# Altium PCB PCB.PcbDoc (part 4 of 11) (continued)
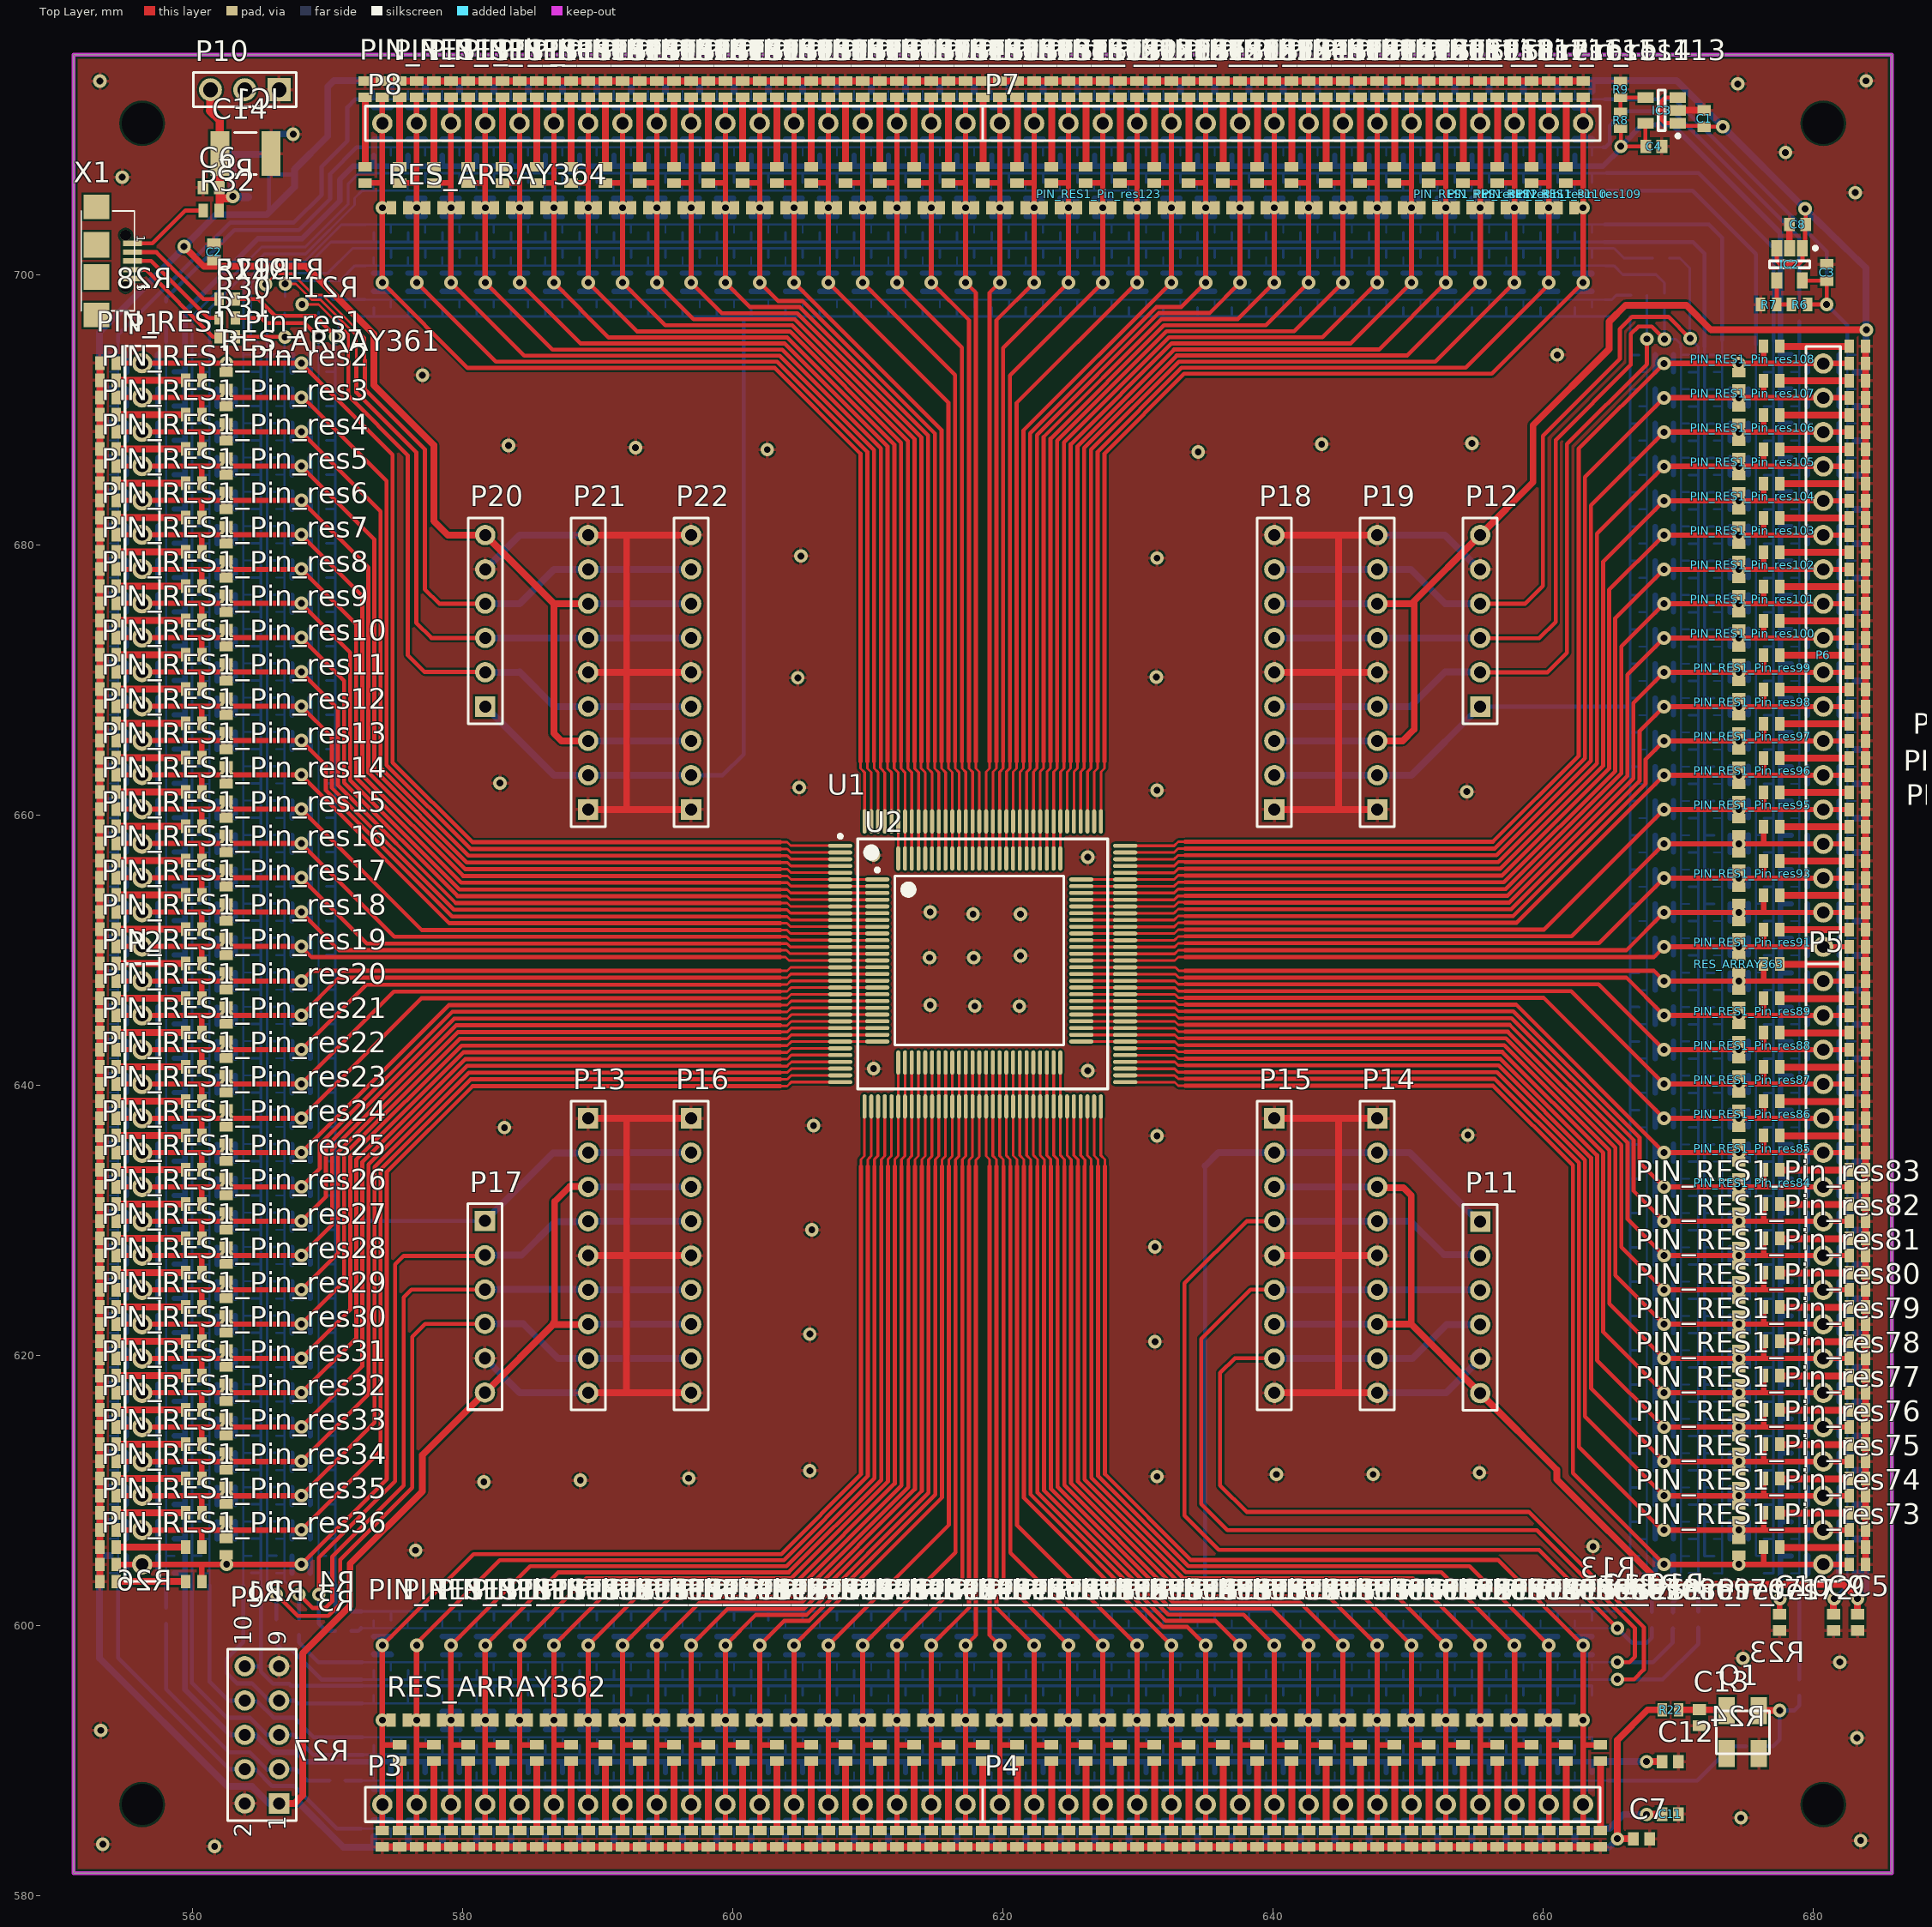
[diagram p0: Top Layer view]
## Nets (pads, with @x,y where several pads share a name; then routed paths per layer and width w, separated by ;. In a path a pad name is that pad's centre, name@x,y a point inside that pad or via, vN(x,y) a via of type N, cw(c..) or ccw(c..) an arc to the next point about the centre after c; other vN are vias at no path point) (continued)
  Bottom Layer w0.3: P9.10@563.778,597.535 563.855,597.459 P9.10@563.855,596.976 565.023,596.976 565.048,596.951 ; 565.048,598.272 565.048,596.951 ; 565.048,598.322 565.048,602.92 ; 572.567,595.528 567.284,595.528 567.131,595.681 565.937,595.681 565.048,596.57 565.048,596.951 ; 664.515,702.412 671.068,702.412 671.932,701.548 671.932,694.665
IO6: P13.8 P16.8 P17.4 PIN_RES1_Pin_res1.10 PIN_RES1_Pin_res2.10 PIN_RES1_Pin_res3.10 PIN_RES1_Pin_res4.10 PIN_RES1_Pin_res5.10 PIN_RES1_Pin_res6.10 PIN_RES1_Pin_res7.10 PIN_RES1_Pin_res8.10 PIN_RES1_Pin_res9.10 PIN_RES1_Pin_res10.10 PIN_RES1_Pin_res11.10 PIN_RES1_Pin_res12.10 PIN_RES1_Pin_res13.10 PIN_RES1_Pin_res14.10 PIN_RES1_Pin_res15.10 PIN_RES1_Pin_res16.10 PIN_RES1_Pin_res17.10 PIN_RES1_Pin_res18.10 PIN_RES1_Pin_res19.10 PIN_RES1_Pin_res20.10 PIN_RES1_Pin_res21.10 PIN_RES1_Pin_res22.10 PIN_RES1_Pin_res23.10 PIN_RES1_Pin_res24.10 PIN_RES1_Pin_res25.10 PIN_RES1_Pin_res26.10 PIN_RES1_Pin_res27.10 PIN_RES1_Pin_res28.10 PIN_RES1_Pin_res29.10 PIN_RES1_Pin_res30.10 PIN_RES1_Pin_res31.10 PIN_RES1_Pin_res32.10 PIN_RES1_Pin_res33.10 PIN_RES1_Pin_res34.10 PIN_RES1_Pin_res35.10 PIN_RES1_Pin_res36.10 R1.1 R15.1 | length 171.9
  Top Layer w0.3: v1(566.191,602.285) 567.766,600.71 570.027,600.71 570.916,601.599 570.916,604.876 576.25,610.21 576.25,621.36 577.215,622.325 P17.4@581.635,622.325
  Bottom Layer w0.2: R15.1@565.379,697.163 565.506,697.036 565.506,695.96 565.506,694.08 ; v1(566.191,602.285) 565.506,602.971 565.506,605.155 ; PIN_RES1_Pin_res36.10@566.201,605.155 565.506,605.155 ; PIN_RES1_Pin_res35.10@566.201,607.695 565.506,607.695 ; PIN_RES1_Pin_res34.10@566.201,610.235 565.506,610.235 ; PIN_RES1_Pin_res33.10@566.201,612.775 565.506,612.775 ; PIN_RES1_Pin_res32.10@566.201,615.315 565.506,615.315 ; PIN_RES1_Pin_res31.10@566.201,617.855 565.506,617.855 ; PIN_RES1_Pin_res30.10@566.201,620.395 565.506,620.395 ; PIN_RES1_Pin_res29.10@566.201,622.935 565.506,622.935 ; PIN_RES1_Pin_res28.10@566.201,625.475 565.506,625.475 ; PIN_RES1_Pin_res27.10@566.201,628.015 565.506,628.015 ; PIN_RES1_Pin_res26.10@566.201,630.555 565.506,630.555 ; PIN_RES1_Pin_res25.10@566.201,633.095 565.506,633.095 ; PIN_RES1_Pin_res24.10@566.201,635.635 565.506,635.635 ; PIN_RES1_Pin_res23.10@566.201,638.175 565.506,638.175 ; PIN_RES1_Pin_res22.10@566.201,640.715 565.506,640.715 ; PIN_RES1_Pin_res21.10@566.201,643.255 565.506,643.255 ; PIN_RES1_Pin_res20.10@566.201,645.795 565.506,645.795 ; PIN_RES1_Pin_res19.10@566.201,648.335 565.506,648.335 ; PIN_RES1_Pin_res18.10@566.201,650.9 565.506,650.9 ; PIN_RES1_Pin_res17.10@566.201,653.44 565.506,653.44 ; PIN_RES1_Pin_res16.10@566.201,655.98 565.506,655.98 ; PIN_RES1_Pin_res15.10@566.201,658.52 565.506,658.52 ; PIN_RES1_Pin_res14.10@566.201,661.06 565.506,661.06 ; PIN_RES1_Pin_res13.10@566.201,663.6 565.506,663.6 ; PIN_RES1_Pin_res12.10@566.201,666.14 565.506,666.14 ; PIN_RES1_Pin_res11.10@566.201,668.68 565.506,668.68 ; PIN_RES1_Pin_res10.10@566.201,671.22 565.506,671.22 ; PIN_RES1_Pin_res9.10@566.201,673.76 565.506,673.76 ; PIN_RES1_Pin_res8.10@566.201,676.3 565.506,676.3 ; PIN_RES1_Pin_res7.10@566.201,678.84 565.506,678.84 ; PIN_RES1_Pin_res6.10@566.201,681.38 565.506,681.38 ; PIN_RES1_Pin_res5.10@566.201,683.92 565.506,683.92 ; PIN_RES1_Pin_res4.10@566.201,686.46 565.506,686.46 ; PIN_RES1_Pin_res3.10@566.201,689 565.506,689 ; PIN_RES1_Pin_res2.10@566.201,691.54 565.506,691.54 ; PIN_RES1_Pin_res1.10@566.201,694.08 565.506,694.08 ; 565.506,605.155 565.506,607.695 ; 565.506,607.695 565.506,610.235 ; 565.506,610.235 565.506,612.775 ; 565.506,612.775 565.506,615.315 ; 565.506,615.315 565.506,617.855 ; 565.506,617.855 565.506,620.395 ; 565.506,620.395 565.506,622.935 ; 565.506,622.935 565.506,625.475 ; 565.506,625.475 565.506,628.015 ; 565.506,628.015 565.506,630.555 ; 565.506,630.555 565.506,633.095 ; 565.506,633.095 565.506,635.635 ; 565.506,635.635 565.506,638.175 ; 565.506,638.175 565.506,640.715 ; 565.506,640.715 565.506,643.255 ; 565.506,643.255 565.506,645.795 ; 565.506,645.795 565.506,648.335 ; 565.506,648.335 565.506,650.9 ; 565.506,650.9 565.506,653.44 ; 565.506,653.44 565.506,655.98 ; 565.506,655.98 565.506,658.52 ; 565.506,658.52 565.506,661.06 ; 565.506,661.06 565.506,663.6 ; 565.506,663.6 565.506,666.14 ; 565.506,666.14 565.506,668.68 ; 565.506,668.68 565.506,671.22 ; 565.506,671.22 565.506,673.76 ; 565.506,673.76 565.506,676.3 ; 565.506,676.3 565.506,678.84 ; 565.506,678.84 565.506,681.38 ; 565.506,681.38 565.506,683.92 ; 565.506,683.92 565.506,686.46 ; 565.506,686.46 565.506,689 ; 565.506,689 565.506,691.54 ; 565.506,691.54 565.506,694.08
  Bottom Layer w0.3: R1.1@566.191,600.472 v1(566.191,602.285) ; P13.8@589.28,619.76 P13.8@589.305,619.76
  Bottom Layer w0.5: P17.4@581.635,622.325 584.479,622.325 587.045,619.76 P13.8@589.28,619.76 P16.8@596.9,619.76
IO6_1: P11.4 P14.8 P15.8 PIN_RES1_Pin_res37.10 PIN_RES1_Pin_res38.10 PIN_RES1_Pin_res39.10 PIN_RES1_Pin_res40.10 PIN_RES1_Pin_res41.10 PIN_RES1_Pin_res42.10 PIN_RES1_Pin_res43.10 PIN_RES1_Pin_res44.10 PIN_RES1_Pin_res45.10 PIN_RES1_Pin_res46.10 PIN_RES1_Pin_res47.10 PIN_RES1_Pin_res48.10 PIN_RES1_Pin_res49.10 PIN_RES1_Pin_res50.10 PIN_RES1_Pin_res51.10 PIN_RES1_Pin_res52.10 PIN_RES1_Pin_res53.10 PIN_RES1_Pin_res54.10 PIN_RES1_Pin_res55.10 PIN_RES1_Pin_res56.10 PIN_RES1_Pin_res57.10 PIN_RES1_Pin_res58.10 PIN_RES1_Pin_res59.10 PIN_RES1_Pin_res60.10 PIN_RES1_Pin_res61.10 PIN_RES1_Pin_res62.10 PIN_RES1_Pin_res63.10 PIN_RES1_Pin_res64.10 PIN_RES1_Pin_res65.10 PIN_RES1_Pin_res66.10 PIN_RES1_Pin_res67.10 PIN_RES1_Pin_res68.10 PIN_RES1_Pin_res69.10 PIN_RES1_Pin_res70.10 PIN_RES1_Pin_res71.10 PIN_RES1_Pin_res72.10 R1.2 R10.2 | length 204.6
  Top Layer w0.3: P15.8@640.08,619.76 640.055,619.785 637.159,619.785 636.067,618.693 636.067,610.362 638.023,608.406 658.901,608.406 667.436,599.872 667.436,596.722 666.725,596.011 v1(665.48,596.011)
  Bottom Layer w0.2: 572.491,595.986 573.405,595.986 ; PIN_RES1_Pin_res37.10@573.405,596.681 573.405,595.986 ; PIN_RES1_Pin_res38.10@575.945,596.681 575.945,595.986 ; PIN_RES1_Pin_res39.10@578.485,596.681 578.485,595.986 ; PIN_RES1_Pin_res40.10@581.025,596.681 581.025,595.986 ; PIN_RES1_Pin_res41.10@583.565,596.681 583.565,595.986 ; PIN_RES1_Pin_res42.10@586.105,596.681 586.105,595.986 ; PIN_RES1_Pin_res43.10@588.645,596.681 588.645,595.986 ; PIN_RES1_Pin_res44.10@591.185,596.681 591.185,595.986 ; PIN_RES1_Pin_res45.10@593.725,596.681 593.725,595.986 ; PIN_RES1_Pin_res46.10@596.265,596.681 596.265,595.986 ; PIN_RES1_Pin_res47.10@598.805,596.681 598.805,595.986 ; PIN_RES1_Pin_res48.10@601.345,596.681 601.345,595.986 ; PIN_RES1_Pin_res49.10@603.885,596.681 603.885,595.986 ; PIN_RES1_Pin_res50.10@606.425,596.681 606.425,595.986 ; PIN_RES1_Pin_res51.10@608.965,596.681 608.965,595.986 ; PIN_RES1_Pin_res52.10@611.505,596.681 611.505,595.986 ; PIN_RES1_Pin_res53.10@614.045,596.681 614.045,595.986 ; PIN_RES1_Pin_res54.10@616.585,596.681 616.585,595.986 ; PIN_RES1_Pin_res55.10@619.15,596.681 619.15,595.986 ; PIN_RES1_Pin_res56.10@621.69,596.681 621.69,595.986 ; PIN_RES1_Pin_res57.10@624.23,596.681 624.23,595.986 ; PIN_RES1_Pin_res58.10@626.77,596.681 626.77,595.986 ; PIN_RES1_Pin_res59.10@629.31,596.681 629.31,595.986 ; PIN_RES1_Pin_res60.10@631.85,596.681 631.85,595.986 ; PIN_RES1_Pin_res61.10@634.39,596.681 634.39,595.986 ; PIN_RES1_Pin_res62.10@636.93,596.681 636.93,595.986 ; PIN_RES1_Pin_res63.10@639.47,596.681 639.47,595.986 ; PIN_RES1_Pin_res64.10@642.01,596.681 642.01,595.986 ; PIN_RES1_Pin_res65.10@644.55,596.681 644.55,595.986 ; PIN_RES1_Pin_res66.10@647.09,596.681 647.09,595.986 ; PIN_RES1_Pin_res67.10@649.63,596.681 649.63,595.986 ; PIN_RES1_Pin_res68.10@652.17,596.681 652.17,595.986 ; PIN_RES1_Pin_res69.10@654.71,596.681 654.71,595.986 ; PIN_RES1_Pin_res70.10@657.25,596.681 657.25,595.986 ; PIN_RES1_Pin_res71.10@659.79,596.681 659.79,595.986 ; PIN_RES1_Pin_res72.10@662.33,596.681 662.33,595.986 ; v1(665.48,596.011) 665.455,595.986 662.33,595.986 ; 573.405,595.986 575.945,595.986 ; 575.945,595.986 578.485,595.986 ; 578.485,595.986 581.025,595.986 ; 581.025,595.986 583.565,595.986 ; 583.565,595.986 586.105,595.986 ; 586.105,595.986 588.645,595.986 ; 588.645,595.986 591.185,595.986 ; 591.185,595.986 593.725,595.986 ; 593.725,595.986 596.265,595.986 ; 596.265,595.986 598.805,595.986 ; 598.805,595.986 601.345,595.986 ; 601.345,595.986 603.885,595.986 ; 603.885,595.986 606.425,595.986 ; 606.425,595.986 608.965,595.986 ; 608.965,595.986 611.505,595.986 ; 611.505,595.986 614.045,595.986 ; 614.045,595.986 616.585,595.986 ; 616.585,595.986 619.15,595.986 ; 619.15,595.986 621.69,595.986 ; 621.69,595.986 624.23,595.986 ; 624.23,595.986 626.77,595.986 ; 626.77,595.986 629.31,595.986 ; 629.31,595.986 631.85,595.986 ; 631.85,595.986 634.39,595.986 ; 634.39,595.986 636.93,595.986 ; 636.93,595.986 639.47,595.986 ; 639.47,595.986 642.01,595.986 ; 642.01,595.986 644.55,595.986 ; 644.55,595.986 647.09,595.986 ; 647.09,595.986 649.63,595.986 ; 649.63,595.986 652.17,595.986 ; 652.17,595.986 654.71,595.986 ; 654.71,595.986 657.25,595.986 ; 657.25,595.986 659.79,595.986 ; 659.79,595.986 662.33,595.986
  Bottom Layer w0.3: R1.2@566.191,599.272 566.191,598.627 566.598,598.221 567.309,598.221 569.544,595.986 572.491,595.986 ; v1(665.48,596.011) 668.833,596.011 671.474,598.653 671.474,599.805 R10.2@671.449,599.831
  Bottom Layer w0.5: P15.8@640.08,619.76 P14.8@647.7,619.76 650.316,619.76 652.831,622.275 P11.4@655.32,622.275
IO6_2: P12.4 P18.8 P19.8 PIN_RES1_Pin_res73.10 PIN_RES1_Pin_res74.10 PIN_RES1_Pin_res75.10 PIN_RES1_Pin_res76.10 PIN_RES1_Pin_res77.10 PIN_RES1_Pin_res78.10 PIN_RES1_Pin_res79.10 PIN_RES1_Pin_res80.10 PIN_RES1_Pin_res81.10 PIN_RES1_Pin_res82.10 PIN_RES1_Pin_res83.10 PIN_RES1_Pin_res84.10 PIN_RES1_Pin_res85.10 PIN_RES1_Pin_res86.10 PIN_RES1_Pin_res87.10 PIN_RES1_Pin_res88.10 PIN_RES1_Pin_res89.10 PIN_RES1_Pin_res90.10 PIN_RES1_Pin_res91.10 PIN_RES1_Pin_res92.10 PIN_RES1_Pin_res93.10 PIN_RES1_Pin_res94.10 PIN_RES1_Pin_res95.10 PIN_RES1_Pin_res96.10 PIN_RES1_Pin_res97.10 PIN_RES1_Pin_res98.10 PIN_RES1_Pin_res99.10 PIN_RES1_Pin_res100.10 PIN_RES1_Pin_res101.10 PIN_RES1_Pin_res102.10 PIN_RES1_Pin_res103.10 PIN_RES1_Pin_res104.10 PIN_RES1_Pin_res105.10 PIN_RES1_Pin_res106.10 PIN_RES1_Pin_res107.10 PIN_RES1_Pin_res108.10 R10.1 R14.1 | length 175.7
  Top Layer w0.3: P12.4@655.32,675.64 658.647,675.64 659.968,676.961 659.968,688.061 665.658,693.75 665.658,695.96 666.572,696.874 669.265,696.874 v1(670.865,695.274)
  Bottom Layer w0.2: R14.1@669.306,701.218 670.103,701.218 670.839,700.481 670.839,695.3 v1(670.865,695.274) 671.474,694.665 671.474,692.785 ; PIN_RES1_Pin_res73.10@670.779,603.86 671.474,603.86 ; PIN_RES1_Pin_res74.10@670.779,606.4 671.474,606.4 ; PIN_RES1_Pin_res75.10@670.779,608.94 671.474,608.94 ; PIN_RES1_Pin_res76.10@670.779,611.48 671.474,611.48 ; PIN_RES1_Pin_res77.10@670.779,614.02 671.474,614.02 ; PIN_RES1_Pin_res78.10@670.779,616.56 671.474,616.56 ; PIN_RES1_Pin_res79.10@670.779,619.1 671.474,619.1 ; PIN_RES1_Pin_res80.10@670.779,621.64 671.474,621.64 ; PIN_RES1_Pin_res81.10@670.779,624.18 671.474,624.18 ; PIN_RES1_Pin_res82.10@670.779,626.72 671.474,626.72 ; PIN_RES1_Pin_res83.10@670.779,629.26 671.474,629.26 ; PIN_RES1_Pin_res84.10@670.779,631.8 671.474,631.8 ; PIN_RES1_Pin_res85.10@670.779,634.34 671.474,634.34 ; PIN_RES1_Pin_res86.10@670.779,636.88 671.474,636.88 ; PIN_RES1_Pin_res87.10@670.779,639.42 671.474,639.42 ; PIN_RES1_Pin_res88.10@670.779,641.96 671.474,641.96 ; PIN_RES1_Pin_res89.10@670.779,644.5 671.474,644.5 ; PIN_RES1_Pin_res90.10@670.779,647.04 671.474,647.04 ; PIN_RES1_Pin_res91.10@670.779,649.605 671.474,649.605 ; PIN_RES1_Pin_res92.10@670.779,652.145 671.474,652.145 ; PIN_RES1_Pin_res93.10@670.779,654.685 671.474,654.685 ; PIN_RES1_Pin_res94.10@670.779,657.225 671.474,657.225 ; PIN_RES1_Pin_res95.10@670.779,659.765 671.474,659.765 ; PIN_RES1_Pin_res96.10@670.779,662.305 671.474,662.305 ; PIN_RES1_Pin_res97.10@670.779,664.845 671.474,664.845 ; PIN_RES1_Pin_res98.10@670.779,667.385 671.474,667.385 ; PIN_RES1_Pin_res99.10@670.779,669.925 671.474,669.925 ; PIN_RES1_Pin_res100.10@670.779,672.465 671.474,672.465 ; PIN_RES1_Pin_res101.10@670.779,675.005 671.474,675.005 ; PIN_RES1_Pin_res102.10@670.779,677.545 671.474,677.545 ; PIN_RES1_Pin_res103.10@670.779,680.085 671.474,680.085 ; PIN_RES1_Pin_res104.10@670.779,682.625 671.474,682.625 ; PIN_RES1_Pin_res105.10@670.779,685.165 671.474,685.165 ; PIN_RES1_Pin_res106.10@670.779,687.705 671.474,687.705 ; PIN_RES1_Pin_res107.10@670.779,690.245 671.474,690.245 ; PIN_RES1_Pin_res108.10@670.779,692.785 671.474,692.785 ; 671.474,602.945 671.474,603.86 ; 671.474,603.86 671.474,606.4 ; 671.474,606.4 671.474,608.94 ; 671.474,608.94 671.474,611.48 ; 671.474,611.48 671.474,614.02 ; 671.474,614.02 671.474,616.56 ; 671.474,616.56 671.474,619.1 ; 671.474,619.1 671.474,621.64 ; 671.474,621.64 671.474,624.18 ; 671.474,624.18 671.474,626.72 ; 671.474,626.72 671.474,629.26 ; 671.474,629.26 671.474,631.8 ; 671.474,631.8 671.474,634.34 ; 671.474,634.34 671.474,636.88 ; 671.474,636.88 671.474,639.42 ; 671.474,639.42 671.474,641.96 ; 671.474,641.96 671.474,644.5 ; 671.474,644.5 671.474,647.04 ; 671.474,647.04 671.474,649.605 ; 671.474,649.605 671.474,652.145 ; 671.474,652.145 671.474,654.685 ; 671.474,654.685 671.474,657.225 ; 671.474,657.225 671.474,659.765 ; 671.474,659.765 671.474,662.305 ; 671.474,662.305 671.474,664.845 ; 671.474,664.845 671.474,667.385 ; 671.474,667.385 671.474,669.925 ; 671.474,669.925 671.474,672.465 ; 671.474,672.465 671.474,675.005 ; 671.474,675.005 671.474,677.545 ; 671.474,677.545 671.474,680.085 ; 671.474,680.085 671.474,682.625 ; 671.474,682.625 671.474,685.165 ; 671.474,685.165 671.474,687.705 ; 671.474,687.705 671.474,690.245 ; 671.474,690.245 671.474,692.785
  Bottom Layer w0.3: R10.1@671.474,601.031 671.474,602.945
  Bottom Layer w0.5: P18.8@640.08,678.18 P19.8@647.7,678.18 650.189,678.18 652.729,675.64 P12.4@655.32,675.64
IO6_3: P20.4 P21.8 P22.8 PIN_RES1_Pin_res109.10 PIN_RES1_Pin_res110.10 PIN_RES1_Pin_res111.10 PIN_RES1_Pin_res112.10 PIN_RES1_Pin_res113.10 PIN_RES1_Pin_res114.10 PIN_RES1_Pin_res115.10 PIN_RES1_Pin_res116.10 PIN_RES1_Pin_res117.10 PIN_RES1_Pin_res118.10 PIN_RES1_Pin_res119.10 PIN_RES1_Pin_res120.10 PIN_RES1_Pin_res121.10 PIN_RES1_Pin_res122.10 PIN_RES1_Pin_res123.10 PIN_RES1_Pin_res124.10 PIN_RES1_Pin_res125.10 PIN_RES1_Pin_res126.10 PIN_RES1_Pin_res127.10 PIN_RES1_Pin_res128.10 PIN_RES1_Pin_res129.10 PIN_RES1_Pin_res130.10 PIN_RES1_Pin_res131.10 PIN_RES1_Pin_res132.10 PIN_RES1_Pin_res133.10 PIN_RES1_Pin_res134.10 PIN_RES1_Pin_res135.10 PIN_RES1_Pin_res136.10 PIN_RES1_Pin_res137.10 PIN_RES1_Pin_res138.10 PIN_RES1_Pin_res139.10 PIN_RES1_Pin_res140.10 PIN_RES1_Pin_res141.10 PIN_RES1_Pin_res142.10 PIN_RES1_Pin_res143.10 PIN_RES1_Pin_res144.10 R14.2 R15.2 | length 181.4
  Top Layer w0.2: v1(565.404,699.287) 566.179,700.063 567.378,700.063 568.952,698.489 569.606,698.489 572.745,695.35 572.745,693.674
  Top Layer w0.3: 572.745,693.674 572.745,691.515 577.19,687.07 577.19,676.707 578.256,675.64 P20.4@581.66,675.64
  Bottom Layer w0.2: R15.2@565.379,698.363 565.379,699.237 566.242,700.1 569.976,700.1 571.83,701.954 574.675,701.954 ; PIN_RES1_Pin_res144.10@574.675,701.259 574.675,701.954 ; PIN_RES1_Pin_res143.10@577.215,701.259 577.215,701.954 ; PIN_RES1_Pin_res142.10@579.755,701.259 579.755,701.954 ; PIN_RES1_Pin_res141.10@582.295,701.259 582.295,701.954 ; PIN_RES1_Pin_res140.10@584.835,701.259 584.835,701.954 ; PIN_RES1_Pin_res139.10@587.375,701.259 587.375,701.954 ; PIN_RES1_Pin_res138.10@589.915,701.259 589.915,701.954 ; PIN_RES1_Pin_res137.10@592.455,701.259 592.455,701.954 ; PIN_RES1_Pin_res136.10@594.995,701.259 594.995,701.954 ; PIN_RES1_Pin_res135.10@597.535,701.259 597.535,701.954 ; PIN_RES1_Pin_res134.10@600.075,701.259 600.075,701.954 ; PIN_RES1_Pin_res133.10@602.615,701.259 602.615,701.954 ; PIN_RES1_Pin_res132.10@605.155,701.259 605.155,701.954 ; PIN_RES1_Pin_res131.10@607.695,701.259 607.695,701.954 ; PIN_RES1_Pin_res130.10@610.235,701.259 610.235,701.954 ; PIN_RES1_Pin_res129.10@612.775,701.259 612.775,701.954 ; PIN_RES1_Pin_res128.10@615.315,701.259 615.315,701.954 ; PIN_RES1_Pin_res127.10@617.855,701.259 617.855,701.954 ; PIN_RES1_Pin_res126.10@620.42,701.259 620.42,701.954 ; PIN_RES1_Pin_res125.10@622.96,701.259 622.96,701.954 ; PIN_RES1_Pin_res124.10@625.5,701.259 625.5,701.954 ; PIN_RES1_Pin_res123.10@628.04,701.259 628.04,701.954 ; PIN_RES1_Pin_res122.10@630.58,701.259 630.58,701.954 ; PIN_RES1_Pin_res121.10@633.12,701.259 633.12,701.954 ; PIN_RES1_Pin_res120.10@635.66,701.259 635.66,701.954 ; PIN_RES1_Pin_res119.10@638.2,701.259 638.2,701.954 ; PIN_RES1_Pin_res118.10@640.74,701.259 640.74,701.954 ; PIN_RES1_Pin_res117.10@643.28,701.259 643.28,701.954 ; PIN_RES1_Pin_res116.10@645.82,701.259 645.82,701.954 ; PIN_RES1_Pin_res115.10@648.36,701.259 648.36,701.954 ; PIN_RES1_Pin_res114.10@650.9,701.259 650.9,701.954 ; PIN_RES1_Pin_res113.10@653.44,701.259 653.44,701.954 ; PIN_RES1_Pin_res112.10@655.98,701.259 655.98,701.954 ; PIN_RES1_Pin_res111.10@658.52,701.259 658.52,701.954 ; PIN_RES1_Pin_res110.10@661.06,701.259 661.06,701.954 ; PIN_RES1_Pin_res109.10@663.6,701.259 663.6,701.954 ; R14.2@668.106,701.218 665.963,701.218 665.226,701.954 663.6,701.954 ; 574.675,701.954 577.215,701.954 ; 577.215,701.954 579.755,701.954 ; 579.755,701.954 582.295,701.954 ; 582.295,701.954 584.835,701.954 ; 584.835,701.954 587.375,701.954 ; 587.375,701.954 589.915,701.954 ; 589.915,701.954 592.455,701.954 ; 592.455,701.954 594.995,701.954 ; 594.995,701.954 597.535,701.954 ; 597.535,701.954 600.075,701.954 ; 600.075,701.954 602.615,701.954 ; 602.615,701.954 605.155,701.954 ; 605.155,701.954 607.695,701.954 ; 607.695,701.954 610.235,701.954 ; 610.235,701.954 612.775,701.954 ; 612.775,701.954 615.315,701.954 ; 615.315,701.954 617.855,701.954 ; 617.855,701.954 620.42,701.954 ; 620.42,701.954 622.96,701.954 ; 622.96,701.954 625.5,701.954 ; 625.5,701.954 628.04,701.954 ; 628.04,701.954 630.58,701.954 ; 630.58,701.954 633.12,701.954 ; 633.12,701.954 635.66,701.954 ; 635.66,701.954 638.2,701.954 ; 638.2,701.954 640.74,701.954 ; 640.74,701.954 643.28,701.954 ; 643.28,701.954 645.82,701.954 ; 645.82,701.954 648.36,701.954 ; 648.36,701.954 650.9,701.954 ; 650.9,701.954 653.44,701.954 ; 653.44,701.954 655.98,701.954 ; 655.98,701.954 658.52,701.954 ; 658.52,701.954 661.06,701.954 ; 661.06,701.954 663.6,701.954
  Bottom Layer w0.5: P20.4@581.66,675.64 584.2,675.64 586.74,678.18 P21.8@589.28,678.18 P22.8@596.9,678.18